# Altium PCB BMS REVAA.PcbDoc (part 1 of 2) (continued)
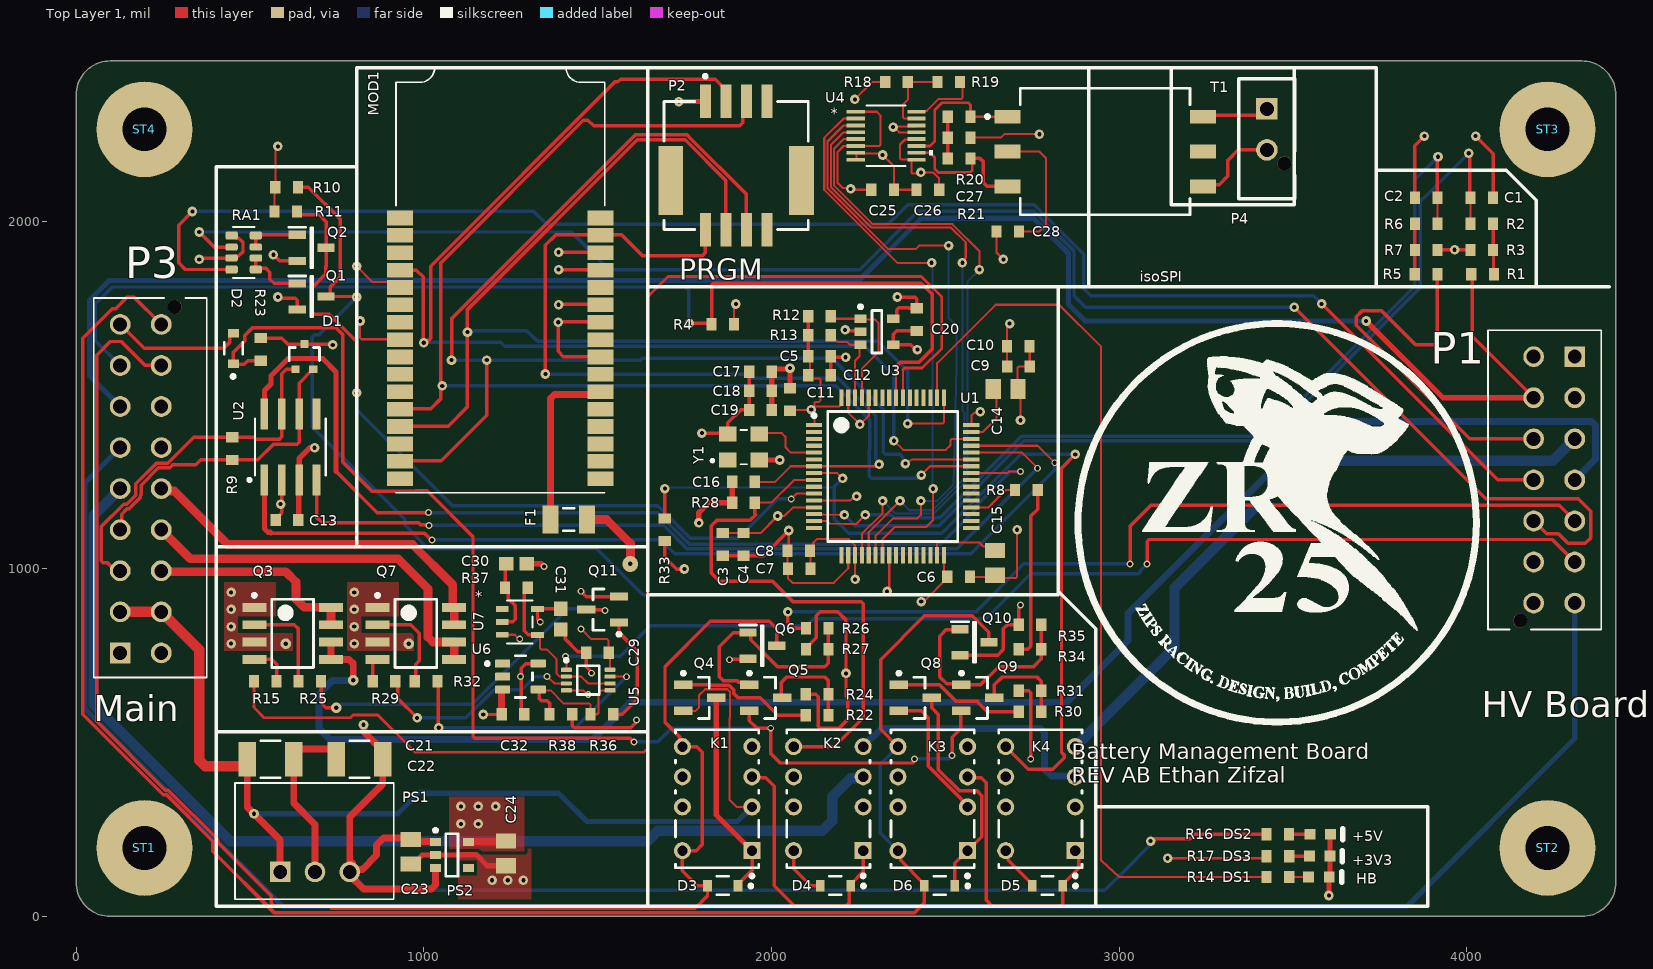
[diagram p0: Top Layer 1 view]
## Components (designator, comment, footprint, x,y, rotation, side; value= is the part's Value field where it differs from the comment) (continued)
R31 "Resistor 1M 0603 1%" RES-0603-Generic 2743.98,648.58 r0 top locked value=1M
R32 "Resistor 1k 0603 1%" RES-0603-Generic 1006.89,676.18 r180 top locked value=1k
R33 "Resistor 1M 0603 1%" RES-0603-Generic 1692.91,1112.2 r90 top value=1M
R34 "Resistor 1k 0603 1%" RES-0603-Generic 2743.98,768.58 r0 top locked value=1k
R35 "Resistor 1M 0603 1%" RES-0603-Generic 2743.98,838.58 r0 top locked value=1M
R36 "Resistor 1k 0603 1%" RES-0603-Generic 1512.46,581.42 r0 top locked value=1k
R37 "Resistor 470k 0603 1%" RES-0603-Generic 1266.39,945.59 r0 top locked value=470k
R38 "Resistor 10k 0603 1%" RES-0603-Generic 1394.35,581.42 r180 top locked value=10k
RA1 "YC164-JR-07100KL" "New footprint 1" 482.28,1909.45 r0 top locked value=100k
ST1 "PTH-M3" PTH-M2D5X5 196.85,196.85 r0 top locked
ST2 "PTH-M3" PTH-M2D5X5 4232.28,196.85 r0 top locked
ST3 "PTH-M3" PTH-M2D5X5 4232.28,2263.78 r0 top locked
ST4 "PTH-M3" PTH-M2D5X5 196.85,2263.78 r0 top locked
T1 "HM2113ZNLT" FP-HM2113ZNLT-MFG 2960,2200 r0 top locked
U1 "STM32F405RGT6" STM-LQFP64_V 2348.92,1265.18 r0 top locked
U2 "MCP2562T-E/SN" MCP2562T-E_SN-Footprint-1 616.71,1349.89 r90 top locked
U3 "24LC32AT-I/OT" SOT-23-OT5_L 2303.45,1681.55 r0 top locked
U4 "LTC6820IMS#PBF" MSOP16_MS_ADI 2330,2245.4 r0 top locked
U5 "SN74LVC2G08DCUR" DCU0008A_N 1473.09,679.84 r0 top locked
U6 "SN74LVC1G32DBVR" FP-DBV0005A-MFG 1278.2,689.69 r0 top locked
U7 "BU4S584G2-TR" SSOP5_ROM 1276.24,847.17 r0 top locked
Y1 "ECS-3225MV-120-BN-TR" ECS-3225MV-120-BN-TR-Footprint-1 1920,1350 r0 top locked

## Footprints (in the part's own frame and the unit in brackets; to place one, negate y for a bottom-side part, rotate by r counter-clockwise, add the part's x,y. Pads: shape width x height; smd on the part's side, far side on the other; paste and mask are expansions set on the pad)
206832-1001-Footprint-1 [mm]
  rect 1.52x1.52 hole 1.02 mask+0.076: 1(9.64,-1.99)
  round 1.52 hole 1.02 mask+0.076: 2(6.64,-1.99) 3(3.64,-1.99) 4(0.64,-1.99) 5(-2.36,-1.99) 6(-5.36,-1.99) 7(-8.36,-1.99) 8(9.64,1.01) 9(6.64,1.01) 10(3.64,1.01) 11(0.64,1.01) 12(-2.36,1.01) 13(-5.36,1.01) 14(-8.36,1.01)
  round 1.02 hole 1.02 unplated mask+0: ""(-9.64,1.99)
  silkscreen extent -10.28,-3.92 11.57,4.34, body extent -10.3,-3.9 11.55,4.36, height 10.03
CAP-0603-Generic [mm] "Generic 0603 Capacitor footprint"
  rect 0.75x0.9 smd: 1(-0.825,0) 2(0.825,0)
  body extent -0.85,-0.44 0.85,0.44, height 0.6
CAP-0805 [mm] "0805 Capacitor footprint"
  rect 1.11x1.47 smd: 1(-0.9,0) 2(0.9,0)
  body extent -1,-0.63 1,0.63, height 1.45
CAPC1608X94X35NL15T15 [mm] "Chip Capacitor, 2-Leads, Body 1.75x0.96mm, IPC Medium Density"
  rect 1.05x1 smd: 1(-0.75,0) 2(0.75,0)
  body extent -0.87,-0.48 0.87,0.48, height 0.94
CONV_R-78E5.0-1.0 [mm]
  rect 1.508x1.508 hole 1: 1(-2.54,-2.25)
  round 1.508 hole 1: 2(0,-2.25) 3(2.54,-2.25)
  silkscreen extent -5.85,-4.25 5.75,4.25, body extent -5.85,-4.25 5.75,4.25, height 10.4
DCU0008A_N [mm] "SOP, 8-Leads, Body 2.4x2.1mm, Pitch 0.5mm, IPC Medium Density"
  rrect33% 0.8x0.3 smd: 1(-1.6,0.75) 2(-1.6,0.25) 3(-1.6,-0.25) 4(-1.6,-0.75) 5(1.6,-0.75) 6(1.6,-0.25) 7(1.6,0.25) 8(1.6,0.75)
  silkscreen extent -1.72,-1.05 0.8,1.57, body extent -1.56,-1 1.56,1, height 0.9
ECS-3225MV-120-BN-TR-Footprint-1 [mm]
  rect 1.3x1.1 smd: 1(-1.15,-0.95) 2(1.15,-0.95) 3(1.15,0.95) 4(-1.15,0.95)
  silkscreen extent -2.37,-1.25 0.25,1.25, body extent -1.6,-1.25 1.6,1.25, height 1.2
FAIR-SOIC-8_V [mm] "SOIC, 8-Leads, Body 5x4mm, Pitch 1.27mm"
  rect 1.75x0.65 smd: 1(-2.8,1.905) 2(-2.8,0.635) 3(-2.8,-0.635) 4(-2.8,-1.905) 5(2.8,-1.905) 6(2.8,-0.635) 7(2.8,0.635) 8(2.8,1.905)
  silkscreen extent -2.92,-2.5 1.53,2.9, body extent -3,-2.5 3,2.5, height 1.75
FP-3-1462039-8-MFG [mm]
  rect 1.25x1.25 hole 0.75 paste-2539.97 mask+0: 1(-3.8,-2.54)
  round 1.25 hole 0.75 paste-2539.97 mask+0: 2(-0.6,-2.54) 3(1.6,-2.54) 4(3.8,-2.54) 5(3.8,2.54) 6(1.6,2.54) 7(-0.6,2.54) 8(-3.8,2.54)
  silkscreen extent -5.76,-3.04 5.04,3.04, body extent -5.14,-3.26 5.14,3.26, height 0.25
FP-0466-MFG [mil]
  rect 45x80 smd paste+0 mask+0: 1(-52.5,0) 2(52.5,0)
  silkscreen extent -15,-32 15,32, body extent -79,-44 79,44, height 10
FP-477-02-MFG [mm]
  rect 0.63x0.83 smd paste+0 mask+0: 1(-1.115,0) 2(1.115,0)
  silkscreen extent -2.17,-0.67 0.43,0.67, body extent -1.53,-0.77 1.53,0.77, height 0.25
FP-1210-L_3_2_0_3-W_2_5_0-MFG [mm]
  rect 1.25x2.5 smd paste+0 mask+0: 1(-1.7,0) 2(1.7,0)
  silkscreen extent -0.7,-1.35 0.7,1.35, body extent -1.6,-1.25 1.6,1.25, height 2.7
FP-206832-0201-MFG [mm]
  rect 1.57x1.57 hole 1.02 paste-2539.97 mask+0: 1(-0.003,-2.13)
  round 1.57 hole 1.02 paste-2539.97 mask+0: 2(-0.003,0.87)
  round 1.02 hole 1.02 unplated paste-2539.97 mask+0: ""(-1.283,1.85)
  silkscreen extent -2.05,-4.31 2.05,4.45, body extent -2.15,-4.41 2.15,4.55, height 0.25
FP-503154-0890-MFG [mm]
  rect 0.8x2.45 smd paste+0 mask+0: 1(2.25,-4.7) 2(2.25,4.7) 3(0.75,-4.7) 4(0.75,4.7) 5(-0.75,-4.7) 6(-0.75,4.7) 7(-2.25,-4.7) 8(-2.25,4.7)
  rect 1.8x5.05 smd paste+0 mask+0: 9(-4.78,1.1) 10(4.78,1.1)
  silkscreen extent -5.28,-6.65 5.28,4.67, body extent -5.78,-6.02 5.78,6.02, height 0.25
FP-DBV0005A-MFG [mm]
  rrect17% 1.1x0.6 smd paste+0 mask+0: 1(-1.3,0.95) 2(-1.3,0) 3(-1.3,-0.95) 4(1.3,-0.95) 5(1.3,0.95)
  silkscreen extent -2.55,-1.53 0.87,1.52, body extent -1.95,-1.78 1.95,1.78, height 0.25
FP-HM2113ZNLT-MFG [mm]
  rect 1.89x1.02 smd paste+0 mask+0: 1(-7.145,2.54) 2(-7.145,0) 3(-7.145,-2.54) 4(7.145,-2.54) 5(7.145,0) 6(7.145,2.54)
  silkscreen extent -8.72,-4.62 6.2,4.62, body extent -8.19,-4.72 8.19,4.72, height 0.25
FP-SOT323-MFG [mm]
  rect 0.55x0.6 smd paste-1000 mask+0: 1(-0.925,0.65) 2(-0.925,-0.65) 3(0.925,0)
  silkscreen extent -0.28,-1.1 0.67,1.1, body extent -1.33,-1.2 1.33,1.2, height 0.25
INF-PG-SOT23_M [mm] "SOT23, 3-Leads, Body 2.9x1.3mm, Pitch 0.95mm, IPC Low Density"
  rect 1.35x0.6 smd: 1(-1.2,0.95) 2(-1.2,-0.95) 3(1.2,0)
  silkscreen extent -1.32,-1.5 0.7,1.92, body extent -0.7,-1.5 0.7,1.5, height 1.1
LTST-C190KFKT_V [mm] "SMD, 2-Leads, Body 1.6x0.8mm"
  rect 0.8x0.8 smd: 1(-0.75,0) 2(0.75,0)
  silkscreen extent 1.65,-0.4 1.65,0.4, body extent -0.8,-0.4 0.8,0.4, height 0.9
LTST-C191KRKT_V [mm] "SMD, 2-Leads, Body 1.6x0.8mm"
  rect 0.8x0.8 smd: 1(-0.75,0) 2(0.75,0)
  silkscreen extent 1.65,-0.4 1.65,0.4, body extent -0.8,-0.4 0.8,0.4, height 0.9
MCP2562T-E_SN-Footprint-1 [mil]
  rect 90x22 smd paste+0 mask+0: 1(-95,75) 2(-95,25) 3(-95,-25) 4(-95,-75) 5(95,-75) 6(95,-25) 7(95,25) 8(95,75)
  silkscreen extent -98,-102 82,122, body extent -118,-96 118,96, height 69
MOLEX_2068321801 [mm]
  rect 1.52x1.52 / inner round 1.52 / far side rect 1.52x1.52 hole 1.02 mask+0.076: 1(3,0)
  round 1.52 hole 1.02 mask+0.076: 2(0,0) 3(-3,0) 4(-6,0) 5(-9,0) 6(-12,0) 7(-15,0) 8(-18,0) 9(-21,0) 10(3,3) 11(0,3) 12(-3,3) 13(-6,3) 14(-9,3) 15(-12,3) 16(-15,3) 17(-18,3) 18(-21,3)
  round 1.02 hole 1.02 unplated mask+0.076: MH(-22.28,3.98)
  silkscreen extent -22.93,-1.93 4.8,6.33, body extent -23,-1.96 4.85,6.3, height 9.95
MSOP16_MS_ADI [mil]
  rect 52.5x11 smd paste+0 mask+0: 1(-87.25,68.9) 2(-87.25,49.21) 3(-87.25,29.53) 4(-87.25,9.84) 5(-87.25,-9.84) 6(-87.25,-29.53) 7(-87.25,-49.21) 8(-87.25,-68.9) 9(87.25,-68.9) 10(87.25,-49.21) 11(87.25,-29.53) 12(87.25,-9.84) 13(87.25,9.84) 14(87.25,29.53) 15(87.25,49.21) 16(87.25,68.9)
  silkscreen extent -56,-86 134,86, body extent 0,0 10,10, height 10
"New footprint 1" [mm]
  rrect50% 0.9x0.61 smd mask+0.051: 1(-0.885,1.24) 4(-0.885,-1.24) 5(0.885,-1.24) 8(0.885,1.24)
  rrect50% 0.9x0.53 smd mask+0.051: 2(-0.885,0.4) 3(-0.885,-0.4) 6(0.885,-0.4) 7(0.885,0.4)
  silkscreen extent -0.8,-1.86 0.8,1.86, body extent -0.8,-1.6 0.8,1.6, height 0.7
PTH-M2D5X5 [mm]
  round 7 hole 3.2: 1(0,0)
  body extent -2.74,-2.75 2.74,2.75, height 3.12
RES-0603-Generic [mm] "Generic 0603 Resistor footprint with Solder Mask and Mechanical spacing layer"
  rect 0.75x0.9 smd: 1(-0.825,0) 2(0.825,0)
  body extent -0.85,-0.45 0.85,0.45, height 0.6
SOT95P285X140-5N [mm] "SOT23, 5-Leads, Body 3.00x2.85mm, Pitch 0.95mm, IPC Medium Density"
  rect 0.8x0.6 smd: 1(-1.2,0.95) 2(-1.2,0) 3(-1.2,-0.95) 4(1.2,-0.95) 5(1.2,0.95)
  silkscreen extent -1.32,-1.55 0.45,1.92, body extent -0.85,-1.55 0.85,1.55, height 1.4
SOT96P237X111-3N [mm]
  rect 1.25x0.6 smd: 1(-1.05,0.955) 2(-1.05,-0.955) 3(1.05,0)
  silkscreen extent -1.68,-1.46 0.08,1.51, body extent -1.18,-1.46 1.18,1.46, height 1.11
SOT-23-OT5_L [mm] "SOT23, 5-Leads, Body 2.9x1.7mm, Pitch 0.95mm, Lead Span 2.8mm, IPC High Density"
  rect 0.9x0.65 smd mask+0.076: 1(-1.2,0.95) 2(-1.2,0) 3(-1.2,-0.95)
  rect 0.9x0.65 smd: 4(1.2,-0.95) 5(1.2,0.95)
  silkscreen extent -1.32,-1.55 0.35,1.95, body extent -0.9,-1.55 0.9,1.55, height 1.45
SSOP5_ROM [mil]
  rect 36x17 smd paste+0 mask+0: 1(-51,37) 2(-51,0) 3(-51,-37) 4(51,-37.5) 5(51,37.5)
  silkscreen extent -36,-62 36,62, body extent 0,0 10,10, height 10
STLINK-V3MODS-Footprint-1 [mil]
  rect 74.8x42.13 smd: 1(-288.19,375) 2(-288.19,325) 3(-288.19,275) 4(-288.19,225) 5(-288.19,175) 6(-288.19,125) 7(-288.19,75) 8(-288.19,25) 9(-288.19,-25) 10(-288.19,-75) 11(-288.19,-125) 12(-288.19,-175) 13(-288.19,-225) 14(-288.19,-275) 15(-288.19,-325) 16(-288.19,-375) 17(288.19,-375) 18(288.19,-325) 19(288.19,-275) 20(288.19,-225) 21(288.19,-175) 22(288.19,-125) 23(288.19,-75) 24(288.19,-25) 25(288.19,25) 26(288.19,75) 27(288.19,125) 28(288.19,175) 29(288.19,225) 30(288.19,275) 31(288.19,325) 32(288.19,375)
  silkscreen extent -300,-415 300,808, body extent -300,-415 300,832, height 174
STM-LQFP64_V [mm] "Thin QFP, 64-Leads, Body 10x10mm, Pitch 0.5mm, ST Recommended"
  rect 1.2x0.3 smd: 1(-5.75,3.75) 2(-5.75,3.25) 3(-5.75,2.75) 4(-5.75,2.25) 5(-5.75,1.75) 6(-5.75,1.25) 7(-5.75,0.75) 8(-5.75,0.25) 9(-5.75,-0.25) 10(-5.75,-0.75) 11(-5.75,-1.25) 12(-5.75,-1.75) 13(-5.75,-2.25) 14(-5.75,-2.75) 15(-5.75,-3.25) 16(-5.75,-3.75) 33(5.75,-3.75) 34(5.75,-3.25) 35(5.75,-2.75) 36(5.75,-2.25) 37(5.75,-1.75) 38(5.75,-1.25) 39(5.75,-0.75) 40(5.75,-0.25) 41(5.75,0.25) 42(5.75,0.75) 43(5.75,1.25) 44(5.75,1.75) 45(5.75,2.25) 46(5.75,2.75) 47(5.75,3.25) 48(5.75,3.75)
  rect 0.3x1.2 smd: 17(-3.75,-5.75) 18(-3.25,-5.75) 19(-2.75,-5.75) 20(-2.25,-5.75) 21(-1.75,-5.75) 22(-1.25,-5.75) 23(-0.75,-5.75) 24(-0.25,-5.75) 25(0.25,-5.75) 26(0.75,-5.75) 27(1.25,-5.75) 28(1.75,-5.75) 29(2.25,-5.75) 30(2.75,-5.75) 31(3.25,-5.75) 32(3.75,-5.75) 49(3.75,5.75) 50(3.25,5.75) 51(2.75,5.75) 52(2.25,5.75) 53(1.75,5.75) 54(1.25,5.75) 55(0.75,5.75) 56(0.25,5.75) 57(-0.25,5.75) 58(-0.75,5.75) 59(-1.25,5.75) 60(-1.75,5.75) 61(-2.25,5.75) 62(-2.75,5.75) 63(-3.25,5.75) 64(-3.75,5.75)
  silkscreen extent -5.87,-4.75 4.75,4.75, body extent -5,-5 5,5, height 1.6

## Part data
C1 C2 C3 C6 C7 C10 C11 C17: library part CMP-00043-1, "Capacitor, 0603, 5%", Max Operating Temperature=85°C, Min Operating Temperature=-55°C, Voltage=50V
C4 C5 C8 C9 C12 C13 C16 C18 C20 C25 C26 C29 C32: library part CMP-00030-2, "Capacitor, 0603, 5%", Max Operating Temperature=125°C, Min Operating Temperature=-55°C, Voltage=50V
C14 C15: library part CMP-00042-1, "Capacitor, 0805, 5%", Voltage=50V
C19 C27 C28: library part CMP-00044-1, "Capacitor, 0603, 5%", Max Operating Temperature=125°C, Min Operating Temperature=-55°C, Voltage=16V
C21 C22: library part CMP-001-00122-1, "Capacitor 1210", Capacitor Type=Ceramic, Case/Package=1210, Max Operating Temperature=85°C, Min Operating Temperature=-55°C, Voltage Rating=50V, Mounting Technology="Surface Mount", Pins=2, RoHS Compliant=Yes
C23 C24: library part CMP-00045-1, "Capacitor, 0805", Voltage=25V
C30 C31: library part CMP-001-00003-6, "Chip Capacitor, 1 uF, +/- 10%, 16 V, 0603 (1608 Metric)", Capacitor Type=Ceramic, Case/Package=0603, Max Operating Temperature=125°C, Min Operating Temperature=-55°C, Tolerance=10%, Voltage Rating=16V, Mounting Technology=SM, Pins=2, RoHS Compliant=True
D1: library part CMP-004-00033-2, "Trans Voltage Suppressor Diode, 150W, 24V V(RWM), Bidirectional, 2 Element, Silicon"
D2 D3 D4 D5 D6: library part CMP-004-00075-1, "Rectifier Diode, Schottky, 1 Phase, 1 Element, 0.03A, 40V V(RRM), Silicon", Forward Voltage=370mV, Max Operating Temperature=150°C, Min Operating Temperature=-55°C, Pins=2, RoHS Compliant=Yes
DS1: library part CMP-007-00023-2, "LED Uni-Color Orange, 75 mW, 30 mA, -35 to 85 degC, 2-Pin SMD, RoHS, Tape and Reel", Case/Package=0603, Colour=Orange, Forward Current=20mA, Forward Voltage=2V, Manufacturer=Lite-On, Max Operating Temperature=85°C, Min Operating Temperature=-55°C, Package Description="2-Pin Surface Mount Device, Body 1.6 x 0.8 mm", Package Quantity=3000, Package Reference=C190KFKT, Power=75mW, Datasheet URL=http://optoelectronics.liteon.com/upload/download/DS-22-99-0186/S_110_LTST-C190KFKT.pdf, Datasheet Version="Rev. I, 09/2011", Illumination Colour=Orange, Lens Style=Diffused, Luminous Intensity=90mcd, Manufacturer URL=http://www.us.liteon.com/, Mounting Technology=SM, Nominal Vf=2V, Packaging=TapeandReel, Pins=2, RoHS Compliant=True, Viewing Angle=130degrees
DS2 DS3: library part CMP-007-00024-2, "LED Uni-Color Red, 62.5 mW, 25 mA, -30 to 85 degC, 2-Pin SMD, RoHS, Tape and Reel", Case/Package=0603, Colour=Red, Forward Current=20mA, Forward Voltage=2V, Manufacturer=Lite-On, Max Operating Temperature=85°C, Min Operating Temperature=-55°C, Package Description="2-Pin Surface Mount Device, Body 1.6 x 0.8 mm", Package Quantity=3000, Package Reference=C191KRKT, Power=75mW, Datasheet URL=http://optoelectronics.liteon.com/upload/download/DS-22-99-0151/S_110_LTST-C190KRKT.pdf, Datasheet Version="Rev. F, 05/2013", Illumination Colour=Red, Lens Style=Diffused, Luminous Intensity=54mcd, Manufacturer URL=http://www.us.liteon.com/, Mounting Technology=SM, Nominal Vf=2V, Packaging=TapeandReel, Pins=2, RoHS Compliant=True, Viewing Angle=130degrees
F1: library part CMP-005-00017-1, "Electric Fuse, Very Fast Blow, 0.2A, 125VAC, 125VDC, 50A (IR), Supplemental, Surface Mount, 1206", Current Rating=200mA, Max Operating Temperature=90°C, Min Operating Temperature=-55°C, Mounting Technology="Surface Mount", RoHS Compliant=Yes
K1 K2 K3 K4: library part CMP-008-00010-2, "Power/Signal Relay, 2 Form C, DPDT, Momentary, 0.01A (Coil), 12VDC (Coil), 140mW (Coil), 5A (Contact), 220VDC (Contact), DC Input, Random, AC/DC Output, Through Hole-Straight Mount", Current Rating=5A, Max Operating Temperature=85°C, Min Operating Temperature=-40°C, ComponentLink1Description=Datasheet, ComponentLink1URL=https://www.te.com/commerce/DocumentDelivery/DDEController?Action=srchrtrv&DocNm=108-98001&DocType=Data+Sheet&DocLang=English&DocFormat=pdf&PartCntxt=3-1462039-8, Contact Form=DPDT, Mounting Technology=Through-hole, Operate Time=3ms, Pins=8, RoHS Compliant=Yes
MOD1: library part CMP-00046-2, "STLINK V3 Debugger Board Module"
P1: library part CMP-002-00137-1, "MICRO-FIT Plus Header Assembly Dual Row 10 Position Straight Tin"
P2: library part CMP-002-00140-1, "Board Connector, 8 Contact(s), 2 Row(s), Female, Straight, 0.059 inch Pitch, Surface Mount Terminal, Locking, Receptacle", Max Operating Temperature=105°C, Min Operating Temperature=-40°C, Connector Type="BOARD CONNECTOR", Mounting Technology=Board, RoHS Compliant=Yes
P3: library part CMP-002-00147-2, "Micro-Fit+ Vertical Header, Through Hole, 3.00mm Pitch, Dual Row, 16 Circuits, 0.38µm Gold (Au) Plating, Glow-Wire Capable, Black, Tray", Max Current Rating=12A, Max Operating Temperature=105°C, Min Operating Temperature=-40°C, Voltage Rating=600V, ComponentLink1Description=Datasheet, ComponentLink1URL=https://www.molex.com/en-us/products/part-detail/2068321601?display=pdf, Connector Type="PCB Header", Gender=Female, Mating Cylces=25, Mounting Technology=Thru-hole, Orientation=Vertical, Pins=16, Plating Material=Tin
P4: library part CMP-002-00123-3, "Molex, Micro-Fit+, 2 Position, Dual-Row, Header, Male, 3mm Pitch", Max Current Rating=13A, Voltage Rating=600V
PS1: library part CMP-009-00214-2, "Linear Regulator Replacement DC DC Converter 1 Output 5V - - 1A 8V - 28V Input", Case/Package="SIP-3 Recom Power", Availability=Unavailable, Design Item ID=R-78E5.0-1.0, MF="Recom Power", MP=R-78E5.0-1.0, Price=None, SnapEDA_Link=https://www.snapeda.com/parts/R-78E5.0-1.0/Recom%20Power/view-part/557753/?ref=snap, Source=Zips_Racing_Electric.SchLib
PS2: library part CMP-019-00053-6, "Fixed Positive LDO Regulator", Case/Package=SOT-25, Dropout Voltage=310mV, Max Operating Temperature=125°C, Max Supply Voltage=5.25V, Min Operating Temperature=-40°C, Min Supply Voltage=1.7V, Output Current=300mA, Output Voltage=3.3V, Mounting Technology=SMT, Pins=5
Q1 Q2 Q6 Q10: library part CMP-023-000002-1, "MOSFET N-CH 100V 170MA SOT23-3", Manufacturer_Name="ON Semiconductor", Mouser Part Number=512-BSS123, Arrow Part Number=BSS123, Arrow Price/Stock=https://www.arrow.com/en/products/bss123/on-semiconductor, Datasheet Link=http://uk.rs-online.com/web/p/products/6710321, Design Item ID=BSS123, Height=1.11mm, Manufacturer_Part_Number=BSS123, Mouser Price/Stock=https://www.mouser.co.uk/ProductDetail/ON-Semiconductor-Fairchild/BSS123?qs=FOlmdCx%252BAA2Kf8SEB3qLYA%3D%3D, Source=Zips_Racing_Electric.SchLib
Q3 Q7: library part CMP-013-00045-1, "Power Field-Effect Transistor, 7A I(D), 30V, 0.032ohm, 2-Element, N-Channel, Silicon, Metal-oxide Semiconductor FET", Max Operating Temperature=150°C, Pins=8, RoHS Compliant=Yes
Q4 Q5 Q8 Q9 Q11: library part CMP-013-00040-1, "Small Signal Field-Effect Transistor, 2A I(D), 30V, 1-Element, P-Channel, Silicon, Metal-oxide Semiconductor FET", Pins=3, RoHS Compliant=Yes
R1 R5 R14 R16: library part CMP-00023-3, "Resistor, 0603, 1%, 1/10W", Max Operating Temperature=155°C, Min Operating Temperature=-55°C, Power=100mW, Tolerance=1%, Datasheet=https://www.seielect.com/catalog/sei-rmcf_rmcp.pdf
R2 R6 R12 R13 R17: library part CMP-00028-1, "Resistor, 0603, 1%, 1/10W", Max Operating Temperature=155°C, Min Operating Temperature=-55°C, Power=100mW, Tolerance=1%, Datasheet=https://www.seielect.com/catalog/sei-rmcf_rmcp.pdf
R3 R4 R7 R10 R11 R38: library part CMP-00020-12, "Resistor, 0603, 10k", Max Operating Temperature=155°C, Min Operating Temperature=-55°C, Power=100mW, Tolerance=1%, Datasheet=https://www.seielect.com/catalog/sei-rmcf_rmcp.pdf, Maximum Operating Temperature=155°C, Minimum Operating Temperature=-55°C
R8 R15 R22 R25 R26 R29 R30 R32 R34 R36: library part CMP-00021-7, "Resistor, 0603, 1k", Max Operating Temperature=155°C, Min Operating Temperature=-55°C, Power=100mW, Tolerance=1%, Datasheet=https://www.seielect.com/catalog/sei-rmcf_rmcp.pdf
R9: library part CMP-00031-1, "Resistor, 0603, 1%, 1/10W", Max Operating Temperature=155°C, Min Operating Temperature=-55°C, Power=100mW, Tolerance=1%, Datasheet=https://www.seielect.com/catalog/sei-rmcf_rmcp.pdf
R18 R19 R20 R21: library part CMP-00061-1, "Resistor, 0603, 49R9", Max Operating Temperature=155°C, Min Operating Temperature=-55°C, Power=100mW, Tolerance=1%, Datasheet=https://www.seielect.com/catalog/sei-rmcf_rmcp.pdf
R23 R24 R27 R28 R31 R33 R35: library part CMP-00041-2, "Resistor, 0603, 1%, 1/10W", Max Operating Temperature=155°C, Min Operating Temperature=-55°C, Power=100mW, Tolerance=1%, Datasheet=https://www.seielect.com/catalog/sei-rmcf_rmcp.pdf
R37: library part CMP-00018-2, "Resistor, 0603, 1%, 1/10W", Max Operating Temperature=155°C, Min Operating Temperature=-55°C, Power=100mW, Tolerance=1%, Datasheet=https://www.seielect.com/catalog/sei-rmcf_rmcp.pdf
RA1: library part CMP-00079-2, "Array/Network Resistor, Isolated, Metal Glaze/thick Film, 100000ohm, 50V, 5% +/-Tol, 200ppm/Cel, Surface Mount, 0612", Case/Package=0612, Element Power Dissipation=62.5mW, First Element Resistance=100kR, Max Operating Temperature=155°C, Min Operating Temperature=-55°C, Package Height=0.6mm, Package Length=3.2mm, Package Shape=Rectangular, Package Width=1.6mm, Rated Temperature=70°C, Resistor Type="ARRAY/NETWORK RESISTOR", Temperature Coefficient=200ppm/°C, Tolerance=5%, Working Voltage=50V, Additional Feature="LASER TRIMMABLE", Channels=4, Construction=Chip, JESD-609 Code=e3, Mounting Technology="Surface Mount", Network Type=Isolated, Number of Elements=1, Packaging="Tape and Reel", Pins=8, Reach SVHC Compliant=Yes, RoHS Compliant=Yes, Technology="METAL GLAZE/THICK FILM", Terminal Finish=Nickel, Termination=Wraparound
ST1 ST2 ST3 ST4: library part CMP-00028-00008-6, "M3 Plated Thru-Hole  (3.2mm), 7mm pad, 10 mm keep out zone", Pins=1
T1: library part CMP-012-00001-1, "Datacom Transformer", RoHS Compliant=Yes, Transformer Type="DATACOM TRANSFORMER"
U1: library part CMP-020-00030-5, "RISC Microcontroller, 32-Bit, FLASH, CORTEX-M4 CPU, 168MHz, CMOS, PQFP64", Case/Package=LFQFP, Clock Frequency=50MHz, Max Operating Temperature=85°C, Max Supply Voltage=3.6V, Min Operating Temperature=-40°C, Min Supply Voltage=1.8V, Nominal Supply Voltage=3.3V, Pins=64, RoHS Compliant=Yes
U2: library part CMP-000001-7, "IC TXRX CAN 8SOIC", Case/Package=SOIC, Max Operating Temperature=125°C, Max Supply Voltage=5.5V, Min Operating Temperature=-40°C, Min Supply Voltage=1.8V, Operating Supply Current=70mA, Package Quantity=3300, Data Rate=1Mbps, Lead Free="Lead Free", Mounting Technology="Surface Mount", Packaging="Cut Tape", Pins=8, Propagation Delay=125ns, Receiver Hysteresis=200mV, Simplex/Duplex="Half Duplex", Type="Integrated Circuit (IC)"
U3: library part CMP-019-00068-2, "EEPROM, 4KX8, Serial, CMOS, PDSO5", Case/Package=LSSOP, Clock Frequency=400kHz, Max Operating Temperature=85°C, Max Supply Voltage=5.5V, Min Operating Temperature=-40°C, Min Supply Voltage=2.5V, Memory Format=EEPROM, Memory Size=4096, Pins=5, RoHS Compliant=Yes
U4: library part CMP-023-000016-1, "Isolated Communications Interface Interface 16-MSOP", Mfr_Name="Analog Devices Inc", Copyright="Copyright (C) 2021 Ultra Librarian. All rights reserved.", Design Item ID=LTC6820IMS#PBF, Digi-Key_Part_Number_1=LTC6820IMS#PBF-ND, Manufacturer_Part_Number=LTC6820IMS#PBF, RefDes=RefDes, Source=Zips_Racing_Electric.SchLib, Type=DEV
U5: library part CMP-016-00027-1, "AND Gate, LVC/LCX/Z Series, 2-Func, 2-Input, CMOS, PDSO8", Case/Package=VSSOP, Max Operating Temperature=125°C, Max Supply Voltage=5.5V, Min Operating Temperature=-40°C, Min Supply Voltage=1.65V, Nominal Supply Voltage=1.8V, Logic Type="AND GATE", Pins=8, RoHS Compliant=Yes
U6: library part CMP-016-00020-1, "OR Gate, LVC/LCX/Z Series, 1-Func, 2-Input, CMOS, PDSO5", Case/Package=LSSOP, Max Operating Temperature=125°C, Max Supply Voltage=5.5V, Min Operating Temperature=-40°C, Min Supply Voltage=1.65V, Nominal Supply Voltage=3.3V, Logic Type="OR GATE", Pins=5, RoHS Compliant=Yes
U7: library part CMP-031-00016-1, "Inverter IC 1 Channel Schmitt Trigger 5-SSOP", Mfr_Name="ROHM Semiconductor", Copyright="Copyright (C) 2021 Ultra Librarian. All rights reserved.", Design Item ID=BU4S584G2-TR, Digi-Key_Part_Number_1=BU4S584G2TR-ND, Digi-Key_Part_Number_2=BU4S584G2CT-ND, Digi-Key_Part_Number_3=BU4S584G2DKR-ND, Manufacturer_Part_Number=BU4S584G2-TR, RefDes=RefDes, Source=Zips_Racing_Electric.SchLib, Type=DEV
Y1: library part CMP-003-00034-2, "HCMOS Output Clock Oscillator, 12MHz Nom", Frequency=12MHz

## Via types
v1: diameter 27.56, hole 11.81, Top Layer 1 to Bottom Layer 1, 106 vias
v2: diameter 19.68, hole 11.81, Top Layer 1 to Bottom Layer 1, 29 vias
v3: diameter 30, hole 13, Top Layer 1 to Bottom Layer 1, 4 vias
v4: diameter 45, hole 13, Top Layer 1 to Bottom Layer 1, 1 vias

## Nets (pads, with @x,y where several pads share a name; then routed paths per layer and width w, separated by ;. In a path a pad name is that pad's centre, name@x,y a point inside that pad or via, vN(x,y) a via of type N, cw(c..) or ccw(c..) an arc to the next point about the centre after c; other vN are vias at no path point)
+3V3: C3.2 C4.2 C5.2 C6.2 C7.2 C8.2 C9.2 C10.2 C11.2 C12.2 C17.2 C18.2 C19.2 C20.2 C24.2 C25.2 C26.2 K2.6 K4.6 MOD1.30 PS2.5 R4.2 R10.2 R11.2 R12.2 R13.2 R17.2 U1.1 U1.13 U1.19 U1.32 U1.48 U1.64 U3.4 U4.1 U4.6 U4.9 U4.12 Y1.4 | length 3511.4
  Top Layer 1 w6: R11.2@570.87,2027.56 570.87,2077.64 573.12,2079.89 ; R10.2@573.12,2097.61 573.12,2201.15 580.71,2208.73 v1(580.71,2214.57) ; C3.2@1860,1102.48 C4.2@1920,1102.48 1968.62,1102.48 v1(2017.72,1151.57) 2037.4,1151.57 2062.42,1176.59 U1.13@2122.54,1176.59 ; R4.2@1892.72,1702.76 1892.72,1754.92 v1@1899.61,1761.81 ; C11.2@2053.45,1454.07 2056.43,1457.05 2113.95,1457.05 v1(2114.51,1457.62) ; C5.2@2105.97,1611.55 2110.97,1606.55 2110.97,1561.55 C12.2@2105.97,1556.55 2115.68,1546.84 2137.73,1546.84 2140.97,1543.6 2140.97,1483.57 2137.45,1480.05 2126.9,1480.05 2123.38,1476.54 2123.38,1466.62 v1@2123.45,1466.55 ; v1@2112.05,1457.05 2121.55,1466.55 v1@2123.45,1466.55 ; C7.2@2112.48,1000 2112.48,1050 C8.2@2111.2,1051.28 2120.34,1060.42 2120.34,1074.48 2130.78,1084.92 2222.76,1084.92 2239.87,1067.8 U1.19@2239.87,1038.8 ; U1.1@2122.54,1412.81 2123.45,1413.72 v1@2123.45,1466.55 ; U1.64@2201.28,1491.55 2198.38,1488.65 2198.38,1470.07 2194.86,1466.55 v1@2123.45,1466.55 ; v1@2227.8,2090 C25.2@2287.52,2090 ; v1(2227.8,2092.5) 2225.33,2094.98 2205.02,2094.98 2190,2110 2190,2198.38 2207.5,2215.88 U4.6@2242.75,2215.88 2309.98,2215.88 2313.5,2219.39 2313.5,2303.86 2303.06,2314.3 U4.1@2242.75,2314.3 ; v1(2240.65,969.41) U1.19@2240.65,1038.8 ; U4.9@2417.25,2176.51 U4.9@2404.87,2176.51 ; U4.12@2417.25,2235.56 2416.06,2234.38 2384.38,2234.38 2370,2220 2370,2180.02 2373.51,2176.51 U4.9@2404.87,2176.51 ; v1(2431.1,905.51) 2435.23,909.64 2442,909.64 2505.04,972.68 2509.84,972.68 2496.56,985.96 U1.32@2496.56,1038.8 ; C26.2@2482.48,2090 2482.48,2122.48 2464.96,2140 v1(2430,2140) 2426.72,2136.72 2405.89,2136.72 2402.37,2140.24 2402.37,2174.01 U4.9@2404.87,2176.51 ; U1.48@2575.3,1412.81 2575.3,1440.58 2582.15,1447.43 2596.65,1447.43 v1(2600.78,1451.55) ; C9.2@2677.52,1581.55 2677.52,1691.69 2685,1699.17 v1(2685,1705) ; v1(3139.76,167.32) 3418.39,167.32 R17.2@3424.29,173.23
  Top Layer 1 w10: v1(1387.8,1910.24) 1507.28,1910.24 MOD1.30@1508.66,1908.86 ; v1(1800,1390) 1872.13,1390 Y1.4@1874.72,1387.4 1874.72,1419.31 1911.97,1456.55 C19.2@1935.97,1456.55 1936.2,1456.79 C18.2@1936.2,1508.36 ; C18.2@1935.97,1508.6 C17.2@1935.97,1566.55 ; C5.2@2105.97,1611.55 R13.2@2105.97,1671.55 R12.2@2105.97,1726.55 ; C20.2@2418.45,1684.07 2360.97,1684.07 2350.69,1673.8 U3.4@2350.69,1644.15 2401.1,1644.15 2415.25,1630 v1(2420,1630)
  Top Layer 1 w20: PS2.5@1128.32,214.09 1129.61,215.39 1235.39,215.39 C24.2@1236.69,216.69
  other v1: 1106.69,266.26 1156.69,266.26 1106.69,316.26 1156.69,316.26 1206.69,316.26 1897.73,1761.48
+5V: C13.2 C22.2 C23.2 C29.2 C31.2 C32.2 F1.1 PS1.3 PS2.1 PS2.3 Q11.2 R16.2 U2.3 U5.8 U6.5 U7.5 | length 4884.1
  Top Layer 1 w6: v2(1452.42,826.97) 1481.94,797.44 1527.64,797.44 1531.16,793.93 1531.16,759.57 C29.2@1532.14,758.58 1536.08,754.65 U5.8@1536.08,709.37
  Top Layer 1 w10: C32.2@1289.03,581.42 1280.06,590.39 1280.06,687.83 v2(1278.2,689.69) 1280.06,691.54 1280.06,713.19 1293.95,727.09 U6.5@1329.39,727.09 ; v2(1335.29,847.17) 1327.24,855.22 U7.5@1327.24,884.67 1394.09,884.67 C31.2@1394.35,884.41 ; v2(1452.42,935.24) 1467.82,919.84 Q11.2@1561.67,919.84 ; v1(3090.55,216.54) 3095.3,216.54 3102.27,223.5 3205.41,223.5 3218.12,236.22 R16.2@3423.76,236.22
  Top Layer 1 w15: C13.2@639.19,1139.89 640.45,1141.15 640.45,1253.63 U2.3@641.71,1254.89 641.71,1316.95 673.18,1348.43 v1@688.98,1348.43
  Top Layer 1 w20: PS1.3@787.24,127.95 787.24,118.27 826.77,78.74 1022.11,78.74 1033.83,90.46 PS2.3@1033.83,139.29 ; PS1.3@787.24,154.19 787.24,286.02 882.13,380.91 882.13,476.38 828.22,530.29 828.22,549.73 v1(826.77,551.18) ; PS1.3@794.78,154.19 794.78,131.88 798.38,135.49 823.71,135.49 864.41,176.18 864.41,205.71 884.09,225.39 958.9,225.39 C23.2@962.83,221.46 968.39,215.91 1032.02,215.91 PS2.1@1033.83,214.09
  Top Layer 1 w25: F1.1@1469.82,1141.73 1525.59,1141.73 1594.49,1072.83 v4(1594.49,1013.78)
  Bottom Layer 1 w10: PS1.3@787.24,127.95 840.14,75.06 2958.91,75.06 3023.05,139.19 3087.19,203.33 3087.19,213.18 v1(3090.55,216.54)
  other v1: 686.23,1347.89
+12V: C21.2 K1.2 K3.2 P3.2 P3.11 P3.16 PS1.1 Q4.2 Q8.2 | length 4874.4
  Top Layer 1 w6: Q4.2@1746.73,591.18 1782.13,591.18 1791.34,600.39 1791.34,635.47 1809.26,653.39 1873.18,653.39 1880.8,645.78 1880.8,571.74 1879.92,570.87 1879.92,334.65 1899.61,314.96 K1.2@1943.98,314.96
  Top Layer 1 w10: Q8.2@2366.73,591.18 2430.47,591.18 2450.79,570.87 2450.79,432.48 2563.98,319.29 K3.2@2563.98,314.96
  Top Layer 1 w20: C21.2@492.36,432.09 492.36,314.72 587.24,219.84 PS1.1@587.24,124.35
  Top Layer 1 w30: P3.2@126.97,875.98 P3.11@245.08,875.98 354.33,766.73 354.33,449.66 371.9,432.09 482.76,432.09 492.36,441.69 C21.2@492.36,451.77
  Middle Layer 1 w15: K1.2@1943.98,314.96 2003.03,255.91 2504.92,255.91 K3.2@2563.98,314.96
  Middle Layer 1 w30: P3.11@245.08,875.98 190.16,930.91 190.16,1411.61 P3.16@245.08,1466.54
  Bottom Layer 1 w15: v1(511.81,295.28) 925.2,295.28 987.88,357.96 1000.31,357.96 1003.94,354.33 1387.8,354.33 1469.27,272.85 1901.87,272.85 K1.2@1943.98,314.96
"Accumulator Status": P3.8 R4.1 U1.56 | length 3235.9
  Top Layer 1 w6: U1.56@2358.76,1491.55 2358.76,1581.2 2362.2,1584.65
  Top Layer 1 w10: v1(1763.38,1705.87) 1824.64,1705.87 R4.1@1827.76,1702.76 1827.76,1815.01 1833.61,1820.87 2431.1,1820.87 2462.81,1789.15 2462.81,1632.11 2425.19,1594.49 2372.05,1594.49 2362.2,1584.65
  Bottom Layer 1 w10: P3.8@126.97,1584.65 55.37,1656.24 55.37,1761.81 103.83,1810.28 1752.72,1810.28 1761.81,1801.18 v1@1761.81,1702.76
AMB_LED: P3.14 Q7.7 Q7.8 | length 1071.9
  Top Layer 1 w25: P3.14@245.08,1230.32 251.75,1223.65 282.26,1223.65 436.02,1069.88 967.52,1069.88 1083.25,954.15 1083.25,889.27 1087.3,889.27 Q7.8@1087.6,888.98 Q7.7@1087.6,838.98
AMBER_CTRL: R32.1 U5.7 | length 784.3
  Top Layer 1 w6: U5.7@1536.08,689.69 1583.94,689.69 v2@1584.65,688.98
  Top Layer 1 w10: R32.1@1039.37,676.18 1041.34,674.21 1041.34,544.61 v1(1043.31,542.64)
  Bottom Layer 1 w10: v1(1043.31,542.64) 1436.3,542.64 v2(1582.83,689.17)
BMS&TSR: Q9.3 R30.1 R31.2 | length 274.6
  Top Layer 1 w10: Q9.3@2641.22,628.58 2641.22,665.83 2663.98,688.58 2763.98,688.58 2776.46,676.1 R30.1@2776.46,588.58
BMS_FLT: R8.2 R34.1 | length 477.8
  Top Layer 1 w10: R34.1@2711.5,768.58 2737.09,768.58 2746.06,777.56 2746.06,1151.57 2765.75,1171.26 2765.75,1208.66 2765.93,1208.84
BMS_FLT_L: U6.2